# Altium PCB LG_TRACKER_PCB.PcbDoc (part 1 of 3)
Units mm, origin at the board's own origin, x right, y up, seen from the top; angles counter-clockwise.
Board outline 89.95 x 89.96 mm, 2 copper layers (Top Layer, Bottom Layer), stack 1.57 mm thick; 142 components, 84 nets, 563 pads, 727 vias.
Unrouted connection lines stored in the file: 18.
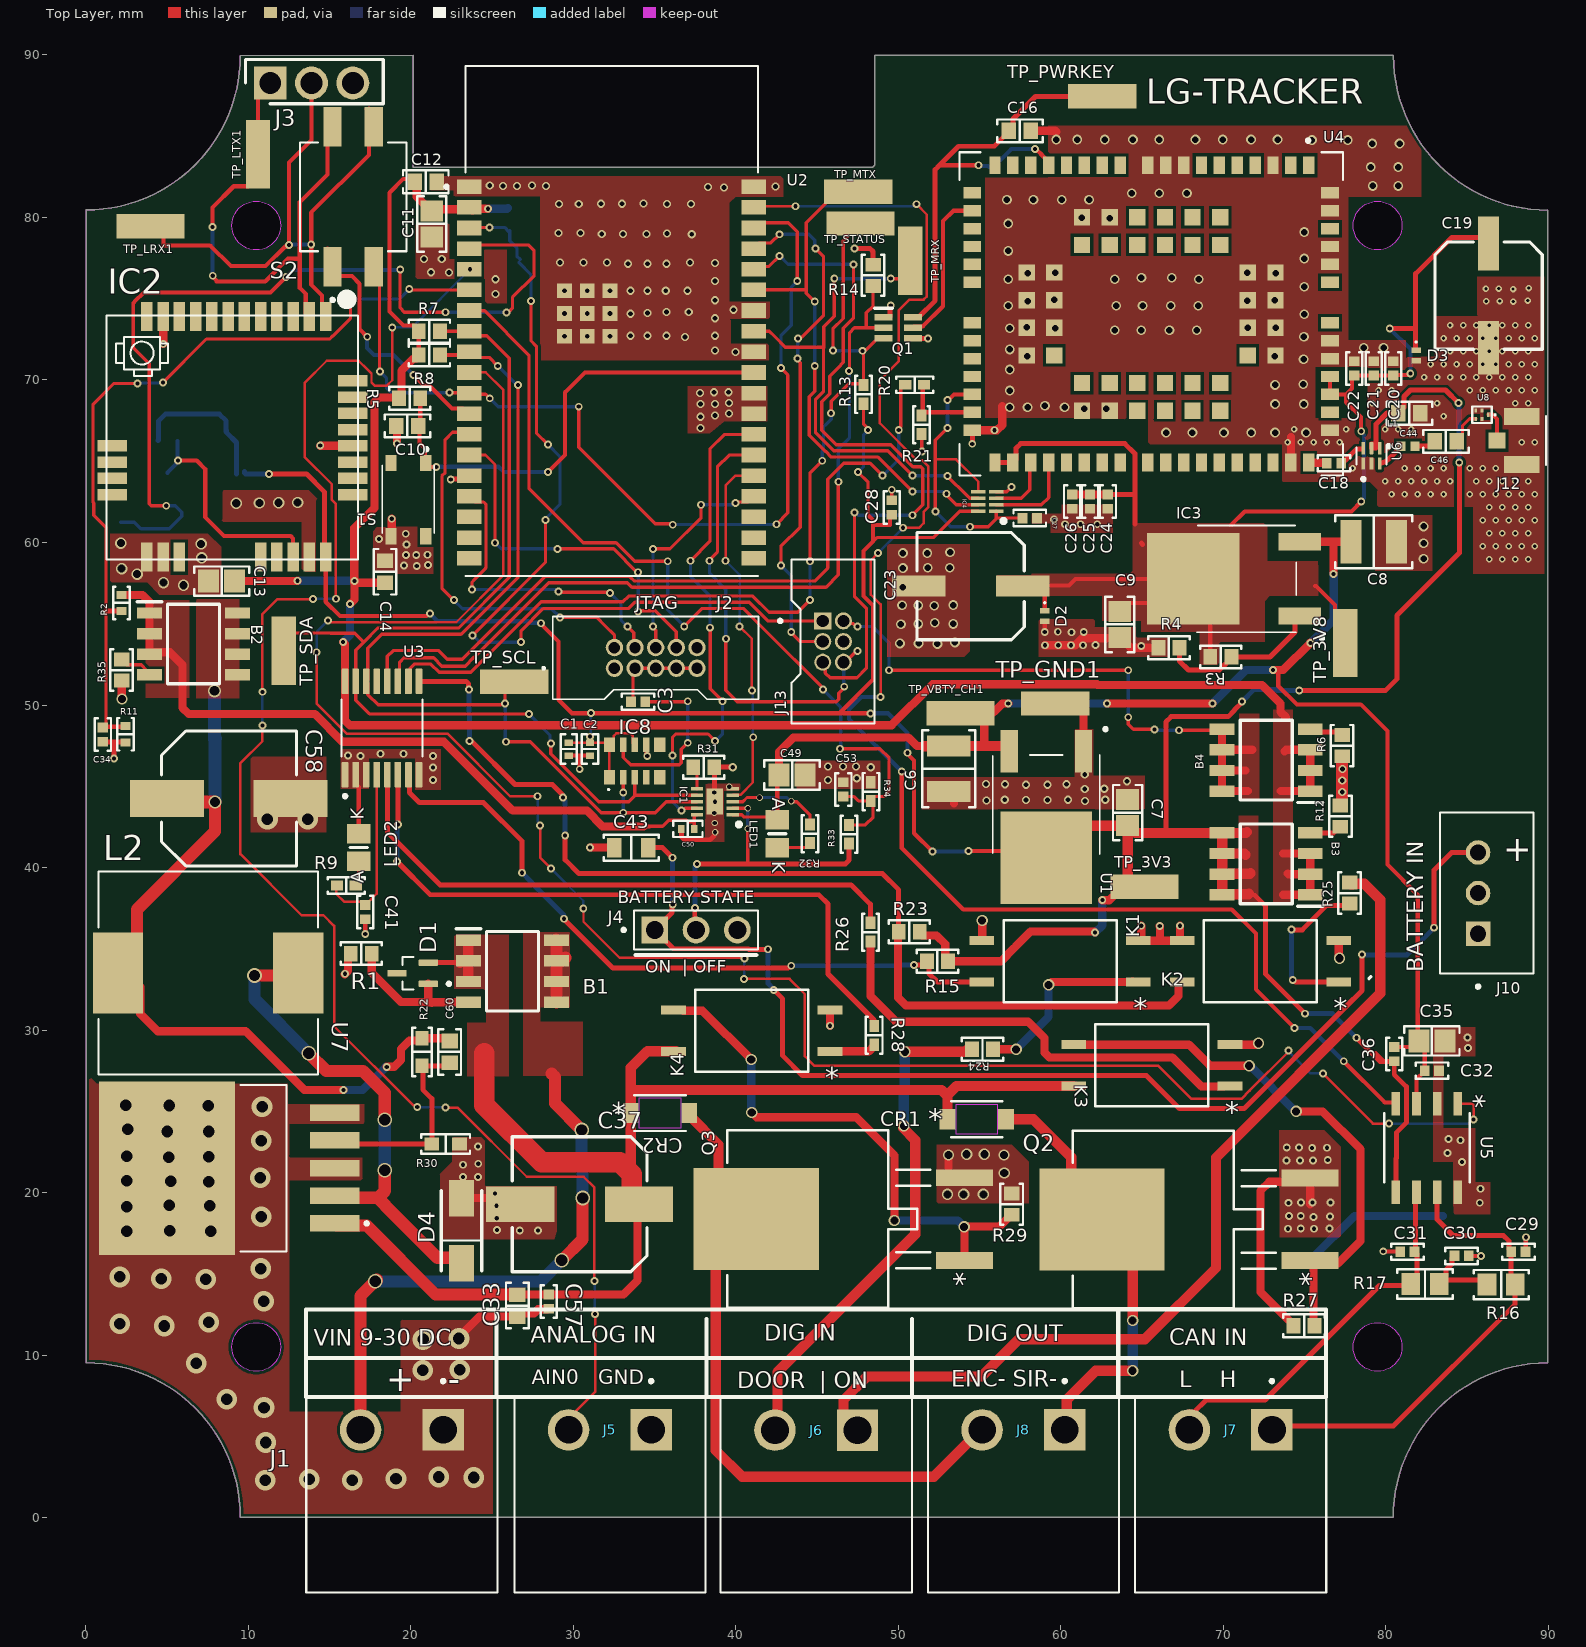
[diagram p0: Top Layer view]
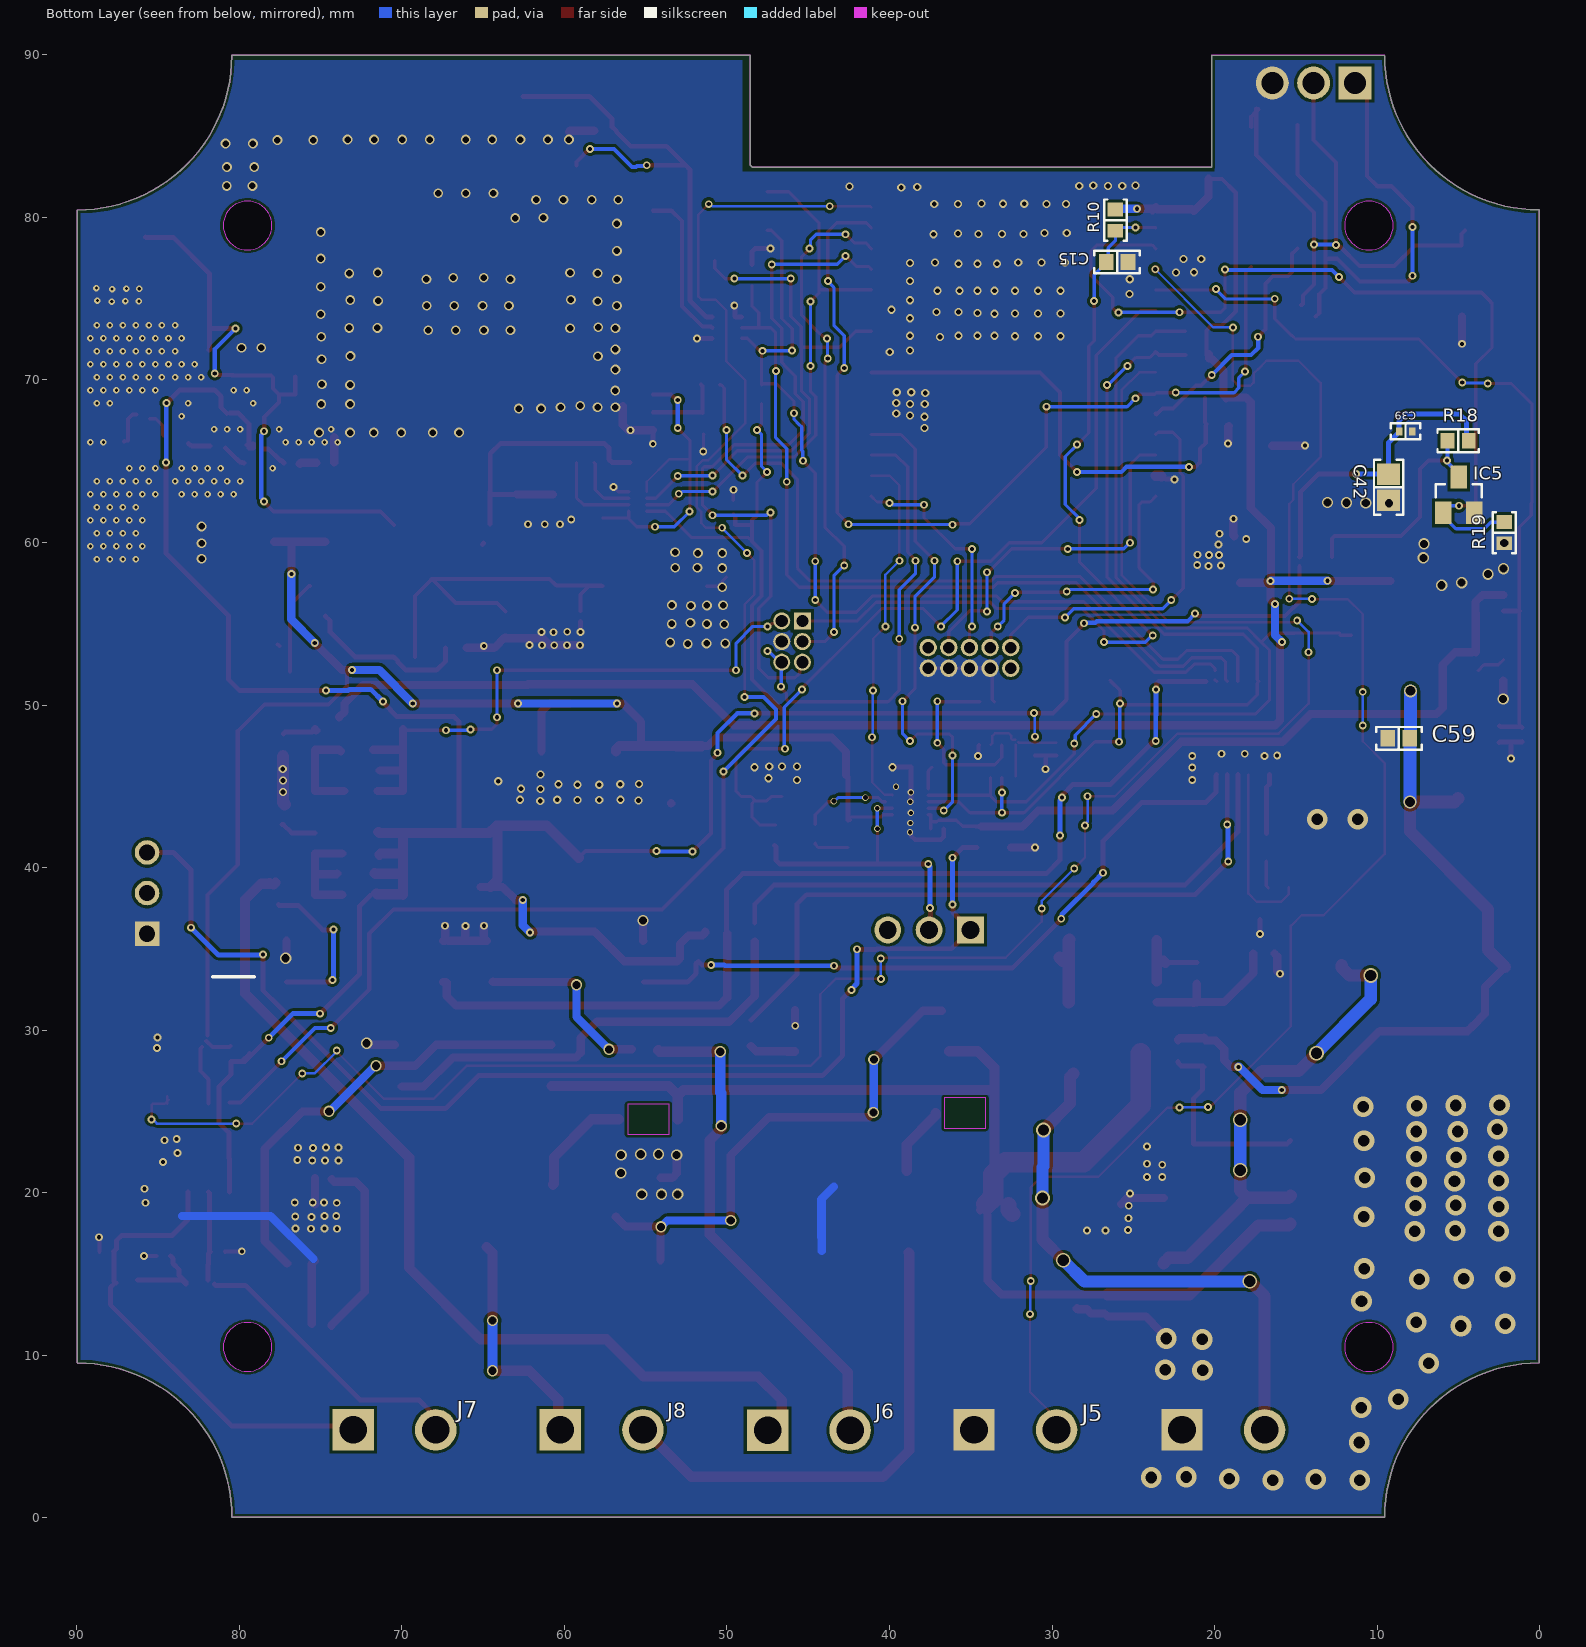
[diagram p1: Bottom Layer view, seen from below]
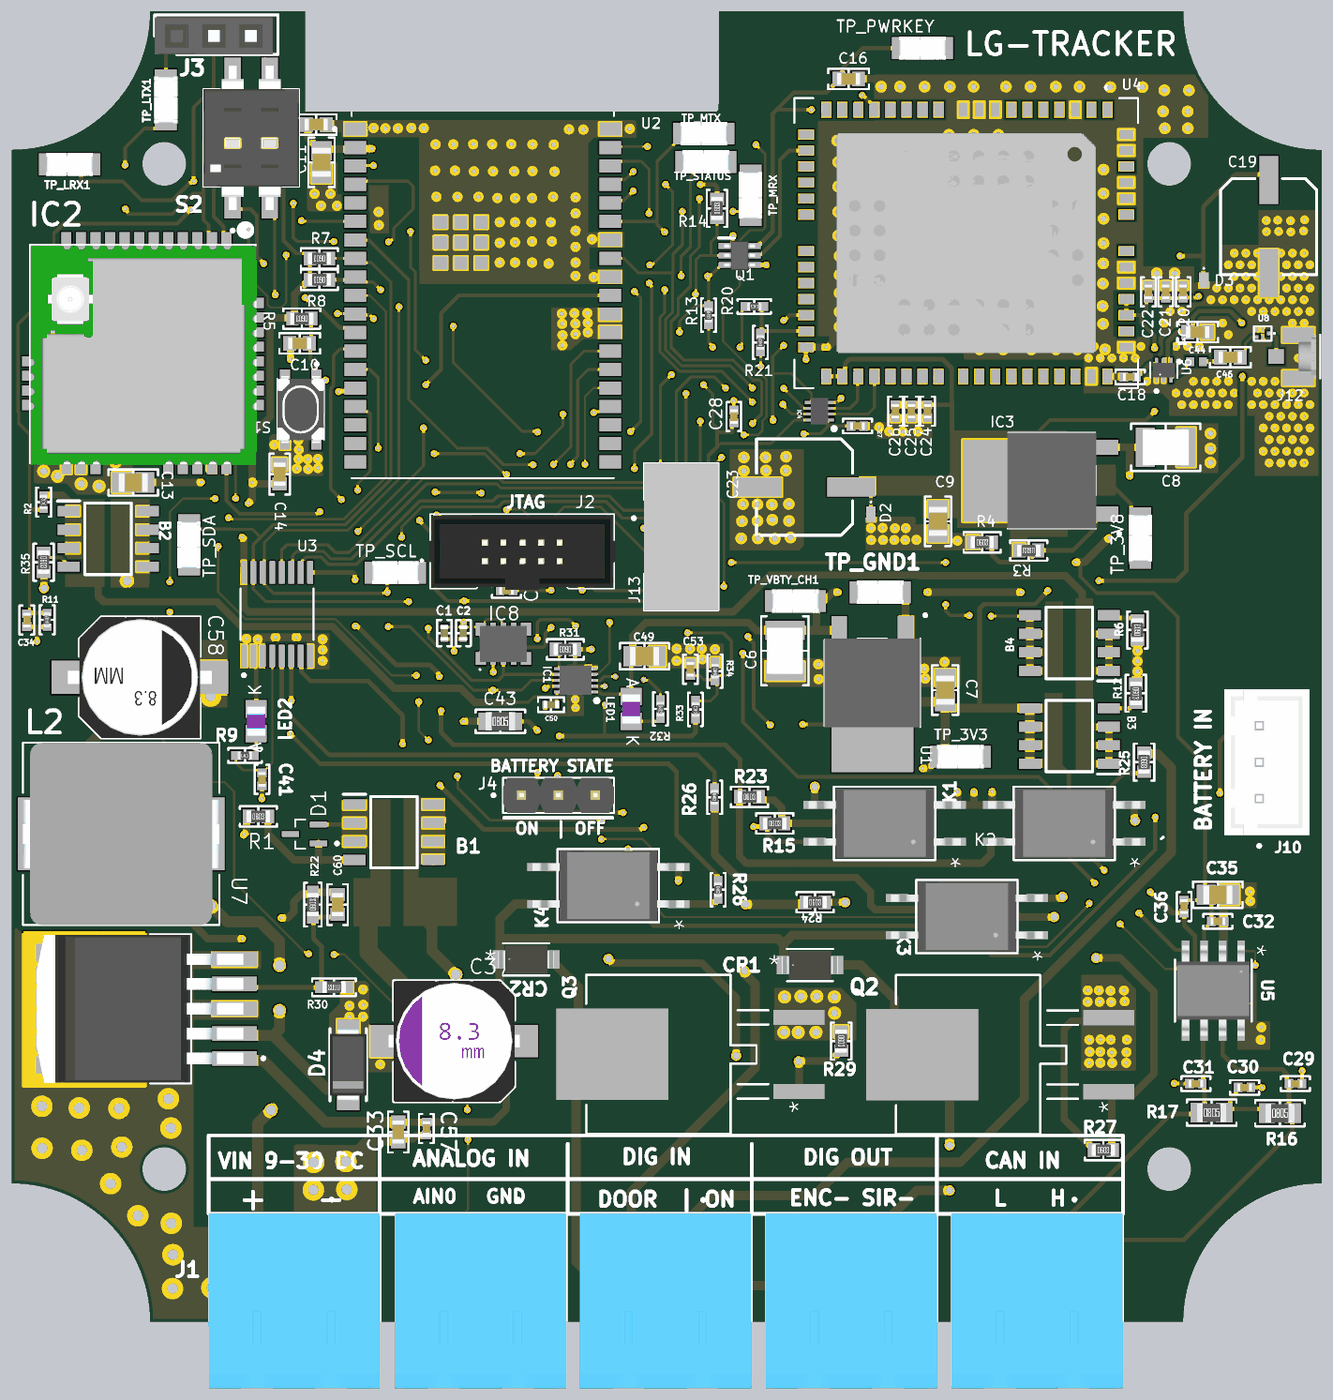
[diagram p4: 3D render of the assembled board from above, using the file's embedded part models]
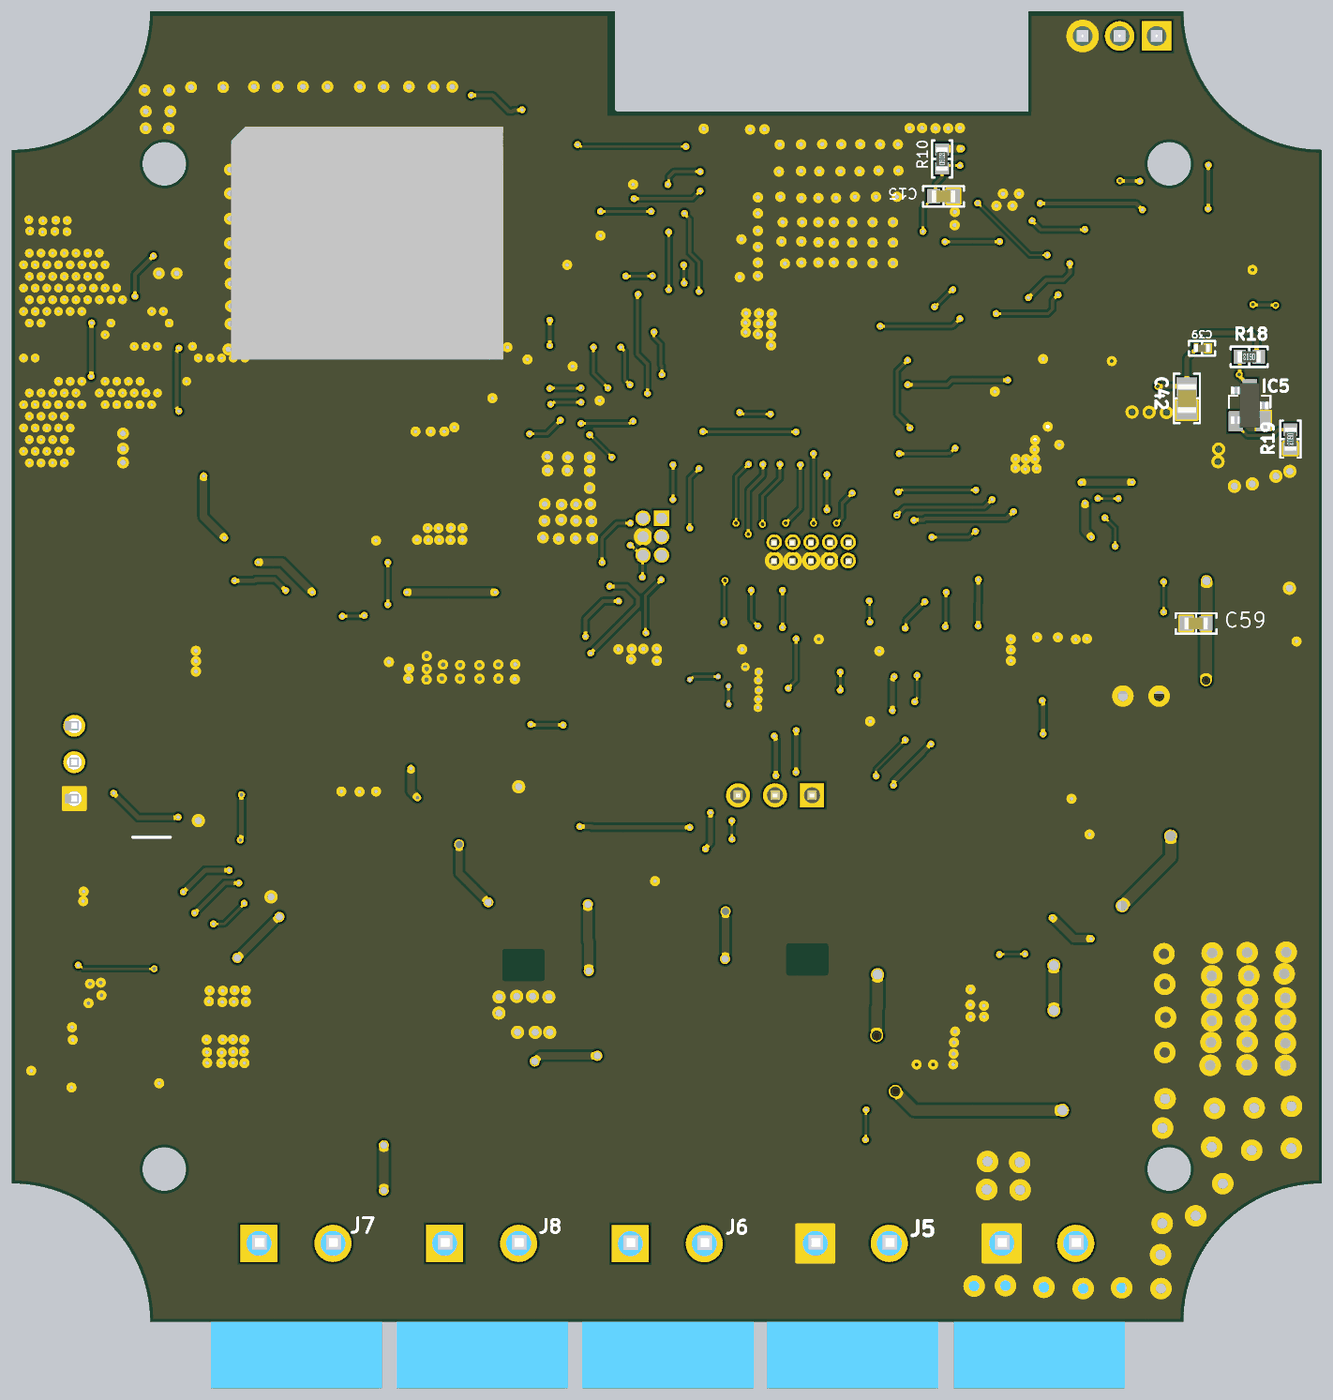
[diagram p5: 3D render of the assembled board from below, using the file's embedded part models]

## Layer stack, top to bottom
Top Solder: solder mask 0.0102, Solder Resist, Dk 3.5
Top Layer: signal copper 0.035
Dielectric 2: prepreg 0.25, PP-006, Dk 4.1
Dielectric 1: dielectric 1, FR-4, Dk 4.8
Dielectric 3: prepreg 0.25, PP-006, Dk 4.1
Bottom Layer: signal copper 0.035
Bottom Solder: solder mask 0.0102, Solder Resist, Dk 3.5

## Board outline
0.028,9.518 0.028,80.463 ccw(c0.026,89.963) 9.526,89.965 20.16,89.967 20.16,84.351 20.16,83.097 48.441,83.097 48.553,83.209 48.553,89.977 80.475,89.975 80.475,89.956 ccw(c89.975,89.956) 89.975,80.456 89.965,9.519 ccw(c89.967,0.016) 80.464,0.021 9.531,0.019 ccw(c0.031,0.018)
cut-out: 10.5,78 cw(c10.5,79.5) 9,79.5 cw(c10.5,79.5) 10.5,81 cw(c10.5,79.5) 12,79.5 cw(c10.5,79.5)
cut-out: 79.5,9 cw(c79.5,10.5) 78,10.5 cw(c79.5,10.5) 79.5,12 cw(c79.5,10.5) 81,10.5 cw(c79.5,10.5)
cut-out: 10.5,9 cw(c10.5,10.5) 9,10.5 cw(c10.5,10.5) 10.5,12 cw(c10.5,10.5) 12,10.5 cw(c10.5,10.5)
cut-out: 79.5,78 cw(c79.5,79.5) 78,79.5 cw(c79.5,79.5) 79.5,81 cw(c79.5,79.5) 81,79.5 cw(c79.5,79.5)

## Design rules (kind name [scope] priority, off if disabled: settings)
Clearance [All] p1: gap=0.178 ignorepadtopadclearanceinfootprint=TRUE except(0.203: Arc-Via Track-Via SMDPad-Via THPad-Via Via-Via)
HoleSize [All] p1: absolutevalues=TRUE maxlimit=5 minlimit=0.025 maxpercent=80.000 minpercent=20.000
HoleToHoleClearance HoleToHoleClearance_1 [All] p1: gap=0.254 allowstackedmicrovias=TRUE
HoleToHoleClearance [All] p2: gap=5 allowstackedmicrovias=TRUE
MinimumSolderMaskSliver [All] p1: minsoldermaskwidth=0
PlaneClearance [All] p1: clearance=0.178
PlaneConnect [All] p1: planeconnectstyle=Direct reliefexpansion=0.508 reliefentries=4 reliefconductorwidth=0.254 reliefairgap=0.178
PolygonConnect [All] p1: connectstyle=Direct reliefconductorwidth=0.254 reliefentries=4 polygonreliefangle="90 Angle" airgapwidth=0.254
RoutingVias RoutingVias_1 [All] p1: holewidth=0.254 width=0.483 viastyle="Through Hole" minholewidth=0 minwidth=0 maxholewidth=0.711 maxwidth=1.27
RoutingVias BuriedVias [IsBuriedVia] p2: holewidth=0.25 width=0.5 viastyle="Through Hole" minholewidth=0 minwidth=0 maxholewidth=0.25 maxwidth=0.5
SilkToSilkClearance [All] p1: silktosilkclearance=0
SilkToSolderMaskClearance [IsPad] p1: minsilkscreentomaskgap=0 clearancetoexposedcopper=TRUE
SolderMaskExpansion [All] p1: expansion=0.102 istentingtop=FALSE
Width [All] p1: maxlimit=5.08 minlimit=0.152 preferedwidth=0.254 toplayer_minwidth=0.152 minimp=50.000000 maximp=50.000000 favimp=50.000000
23 further rules are at their usual default settings.

## Classes and differential pairs
component class U_RTU_LMG_LoRa_Module: C39 C42 IC2 IC5 J3 R18 R19 S2 TP_LRX1 TP_LTX1
component class U_RTU_LMG_gps_acond: C44 C46 L1 U6 U8
component class "Salidas Digitales": CR1 CR2 K3 K4 Q2 Q3 R26 R27 R28 R29
component class "Interfaz CAN": C29 C30 C31 C32 C35 C36 R16 R17 U5
component class "Entradas digitales": K1 K2 R15 R23 R24 R25
component class U_RTU_B2_ORing3V3: B3 B4 R6 R12
component class "Fuente Buck 9/30V - 6V": B2 C33 C34 C37 C57 C58 C59 C60 D4 L2 R2 R11 R22 R30 R35 U7
component class "Cargador de Baterias": C49 C50 C53 IC1 LED1 R31 R32 R33 R34 TP_GND1 TP_VBTY_CH1
component class U_RTC: C1 C2 C3 IC8
component class LG_TRACKER_Block_Diagram: B1 C43 D1 J1 J2 J4 J5 J6 J7 J8 J10 J13 R1
component class "Expansores de IO": C13 C14 U3
component class "Regulador lineal 3V8": C8 C9 IC3 R3 R4 TP_3V8
component class "Regulador lineal 3V3": C6 C7 TP_3V3 U1
component class GPS: C16 C18 C19 C20 C21 C22 C23 C24 C25 C26 C27 C28 D2 D3 IC4 J12 Q1 R13 R14 R20 R21 TP_MRX TP_MTX TP_PWRKEY TP_STATUS U4
component class Microcontrolador: C10 C11 C12 C15 C41 LED2 R5 R7 R8 R9 R10 S1 TP_SCL TP_SDA U2

## Components (designator, comment, footprint, x,y, rotation, side; value= is the part's Value field where it differs from the comment)
B1 "FDS6679AZ" SOIC127P600X175-8N 26.269,33.621 r0 top
B2 "FDS6679AZ" SOIC127P600X175-8N 6.642,53.756 r0 top
B3 "FDS6679AZ" SOIC127P600X175-8N 72.645,40.225 r180 top
B4 "FDS6679AZ" SOIC127P600X175-8N 72.645,46.607 r180 top
C1 "0.1 µF" "MURATA GRM155 0402_1005" 29.732,47.292 r270 top
C2 "0.1 µF" "MURATA GRM155 0402_1005" 31.039,47.292 r270 top
C3 "1 µF" "CAP 0402_1005" 34.002,50.21 r180 top
C6 "10 µF" "CAP 1210_3225 - 1MM" 53.115,46.077 r270 top
C7 "22 µF" "CAP 0805_2012" 64.119,43.377 r270 top
C8 "10 µF" "CAP 1210_3225 - 1MM" 79.263,60.042 r0 top
C9 "22 µF" "CAP 0805_2012" 63.632,54.959 r90 top
C10 "0.047 µF" "CAP 0603_1608" 19.799,67.175 r0 top
C11 "22 µF" "CAP 0805_2012" 21.301,79.603 r90 top
C12 "0.047 µF" "CAP 0603_1608" 20.932,82.192 r180 top
C13 "22 µF" "CAP 0805_2012" 8.375,57.625 r0 top
C14 "0.047 µF" "CAP 0603_1608" 18.422,58.2 r270 top
C15 "0.047 µF" "CAP 0603_1608" 25.997,77.265 r0 bottom
C16 "0.047 µF" "CAP 0603_1608" 57.489,85.329 r180 top
C18 "100 pF" "CAP 0402_1005" 76.819,64.876 r0 top
C19 "100 µF" "CAP ALSMD ELEC 6.6MM H5.4MM" 86.335,75.194 r270 top
C20 "0.1 µF" "CAP 0402_1005" 80.463,70.712 r270 top
C21 "33 pF" "CAP 0402_1005" 79.263,70.712 r90 top
C22 "10 pF" "CAP 0402_1005" 78.063,70.712 r90 top
C23 "100 µF" "CAP ALSMD ELEC 6.6MM H5.4MM" 54.463,57.312 r180 top
C24 "0.1 µF" "CAP 0402_1005" 62.904,62.52 r90 top
C25 "33 pF" "CAP 0402_1005" 61.804,62.52 r270 top
C26 "10 pF" "CAP 0402_1005" 60.704,62.52 r270 top
C27 "0.1 µF" "CAP 0402_1005" 58.096,61.504 r180 top
C28 "0.1 µF" "CAP 0402_1005" 49.608,62.153 r270 top
C29 "100 pF" "CAP 0402_1005" 88.163,16.36 r0 top
C30 "4700pF" "CAP 0402_1005" 84.675,16.101 r0 top
C31 "100 pF" "CAP 0402_1005" 81.332,16.36 r0 top
C32 "0.1 µF" "CAP 0402_1005" 82.843,27.502 r0 top
C33 "1µF" "CAP 0603_1608" 26.57,13.044 r90 top
C34 "0.1 µF" "CAP 0402_1005" 1.066,48.183 r90 top
C35 "22 µF" "CAP 0805_2012" 82.843,29.332 r180 top
C36 "0.1 µF" "CAP 0402_1005" 80.526,28.517 r270 top
C37 "100 µF" "CAP ALSMD POLY 8.3MM H10.5MM" 30.403,19.28 r180 top
C39 "0.1 µF" "MURATA GRM155 0402_1005" 8.248,66.841 r180 bottom
C41 "0.1 µF" "CAP 0402_1005" 17.208,37.251 r90 top
C42 "10 µF" "CAP 0805_2012" 9.289,63.399 r90 bottom
C43 "10 µF" "YAGEO RES 0805_2012" 33.577,41.23 r0 top
C44 "0.033 µF" "CAP 0603_1608" 81.451,67.947 r180 top
C46 "47 pF" "CAP 0603_1608" 83.699,66.223 r180 top
C49 "10 µF" "CAP 0805_2012" 43.473,45.699 r0 top
C50 "1 µF" "MURATA GRM155 0402_1005" 37.063,42.379 r0 top
C53 "0.1 µF" "CAP 0402_1005" 46.629,44.807 r270 top
C57 "0.1 µF" "CAP 0402_1005" 28.496,13.284 r90 top
C58 "330 µF" "CAP ALSMD 8.3MM H10.5MM" 8.823,44.25 r0 top
C59 "22 µF" "CAP 0603_1608" 8.655,47.948 r180 bottom
C60 "100 pF" "CAP 0603_1608" 22.403,28.652 r90 top
CR1 "1N4007FL" CR_SOD-123FL_SME 54.836,24.506 r0 top
CR2 "1N4007FL" CR_SOD-123FL_SME 35.347,24.893 r0 top
D1 "BZX84W-C12F" SOT65P210X110-3N 20.128,33.496 r180 top
D2 "AQ1250-01ETG" SOD-882 59.022,55.47 r270 top
D3 "AQ1250-01ETG" SOD-882 81.877,71.512 r270 top
D4 "SS54-HF" DIOM5025X220N 23.13,17.659 r90 top
IC1 "BQ25186DLHR" SON40P220X200X80-11N 38.72,44.05 r180 top
IC2 "RAK3172-9-SM-I" RAK3172-9-SM-I 1.275,58.958 r0 top
IC3 "AZ2185D-ADJTRG1" TO252-3 71.438,57.756 r90 top
IC4 "TXS0102DQMR" 8-X2SON 55.486,62.52 r180 top
IC5 "2N7002K" SOT23 4.973,62.924 r180 bottom
IC8 "RX8130CE" RX8130CE 33.785,46.545 r0 top
J1 "TBP01R1-508-02BE" CUI_TBP01R1-508-02BE 22,5.4 r180 top
J2 "3220-10-0100-00" 322010010000 32.54,52.263 r0 top
J3 "PPPC031LFBN-RC" PPPC031LFBN-RC 11.364,88.273 r0 top
J4 "ON-OFF" AMPHENOL_68001-203HLF 37.565,36.157 r0 top
J5 "TBP01R1-508-02BE" CUI_TBP01R1-508-02BE 34.8,5.4 r180 top
J6 "TBP01R1-508-02BE" CUI_TBP01R1-508-02BE 47.5,5.38 r180 top
J7 "TBP01R1-508-02BE" CUI_TBP01R1-508-02BE 73,5.4 r180 top
J8 "TBP01R1-508-02BE" CUI_TBP01R1-508-02BE 60.25,5.4 r180 top
J10 "B3B-XH-A" JST_B3B-XH-A 86.207,38.429 r270 top
J12 "1909763-1" TE_1909763-1 88.371,66.27 r270 top
J13 "20021511-00006T4LF" AMPHENOL_20021511-00006T4LF 45.994,53.906 r270 top
K1 "APC-817B1-SL" APC-817xx-SL_AMB 59.963,34.229 r180 top
K2 "APC-817B1-SL" APC-817xx-SL_AMB 72.291,34.229 r180 top
K3 "APC-817B1-SL" APC-817xx-SL_AMB 65.613,27.829 r180 top
K4 "APC-817B1-SL" APC-817xx-SL_AMB 40.994,29.959 r180 top
L1 "6.8 nH" INDC1005X55N 81.376,65.926 r180 top
L2 "SRP1265A-470M" IND_SRP1265A-470M 7.543,33.506 r180 top
LED1 "LTST-C170GKT" "0805 SMD - LED" 42.561,42.08 r270 top
LED2 "LTST-C170GKT" "0805 SMD - LED" 16.808,41.238 r90 top
Q1 "UM6K34NTCN" SOT-363 50.007,73.212 r0 top
Q2 "IRL540NSTRLPBF" NMOSGSD_D2PAK_IRL540NSTRLPBF_INF 65.702,18.351 r90 top
Q3 "IRL540NSTRLPBF" NMOSGSD_D2PAK_IRL540NSTRLPBF_INF 44.432,18.37 r90 top
R1 "100 kOhms" "RES 0603_1608" 16.962,34.705 r0 top
R2 "56 kOhms" "YAGEO RES 0402_1005" 2.218,56.279 r90 top
R3 "3.3 kOhms" "RES 0603_1608" 69.854,52.956 r180 top
R4 "6.8 kOhms" "RES 0603_1608" 66.664,53.523 r0 top
R5 "10 kOhms" "RES 0603_1608" 19.945,68.873 r180 top
R6 "100 kOhms" "RES 0603_1608" 77.315,47.501 r90 top
R7 "10 kOhms" "RES 0603_1608" 21.155,73.003 r180 top
R8 "10 kOhms" "RES 0603_1608" 21.155,71.535 r180 top
R9 "75 Ohms" "RES 0402_1005" 16.044,38.892 r0 top
R10 "10 kOhms" "RES 0603_1608" 26.096,79.834 r90 bottom
R11 "82 kOhms" "YAGEO RES 0402_1005" 2.457,48.201 r90 top
R12 "100 kOhms" "RES 0603_1608" 77.217,43.158 r270 top